# Allegro board F103_LIQUID_V10A.brd
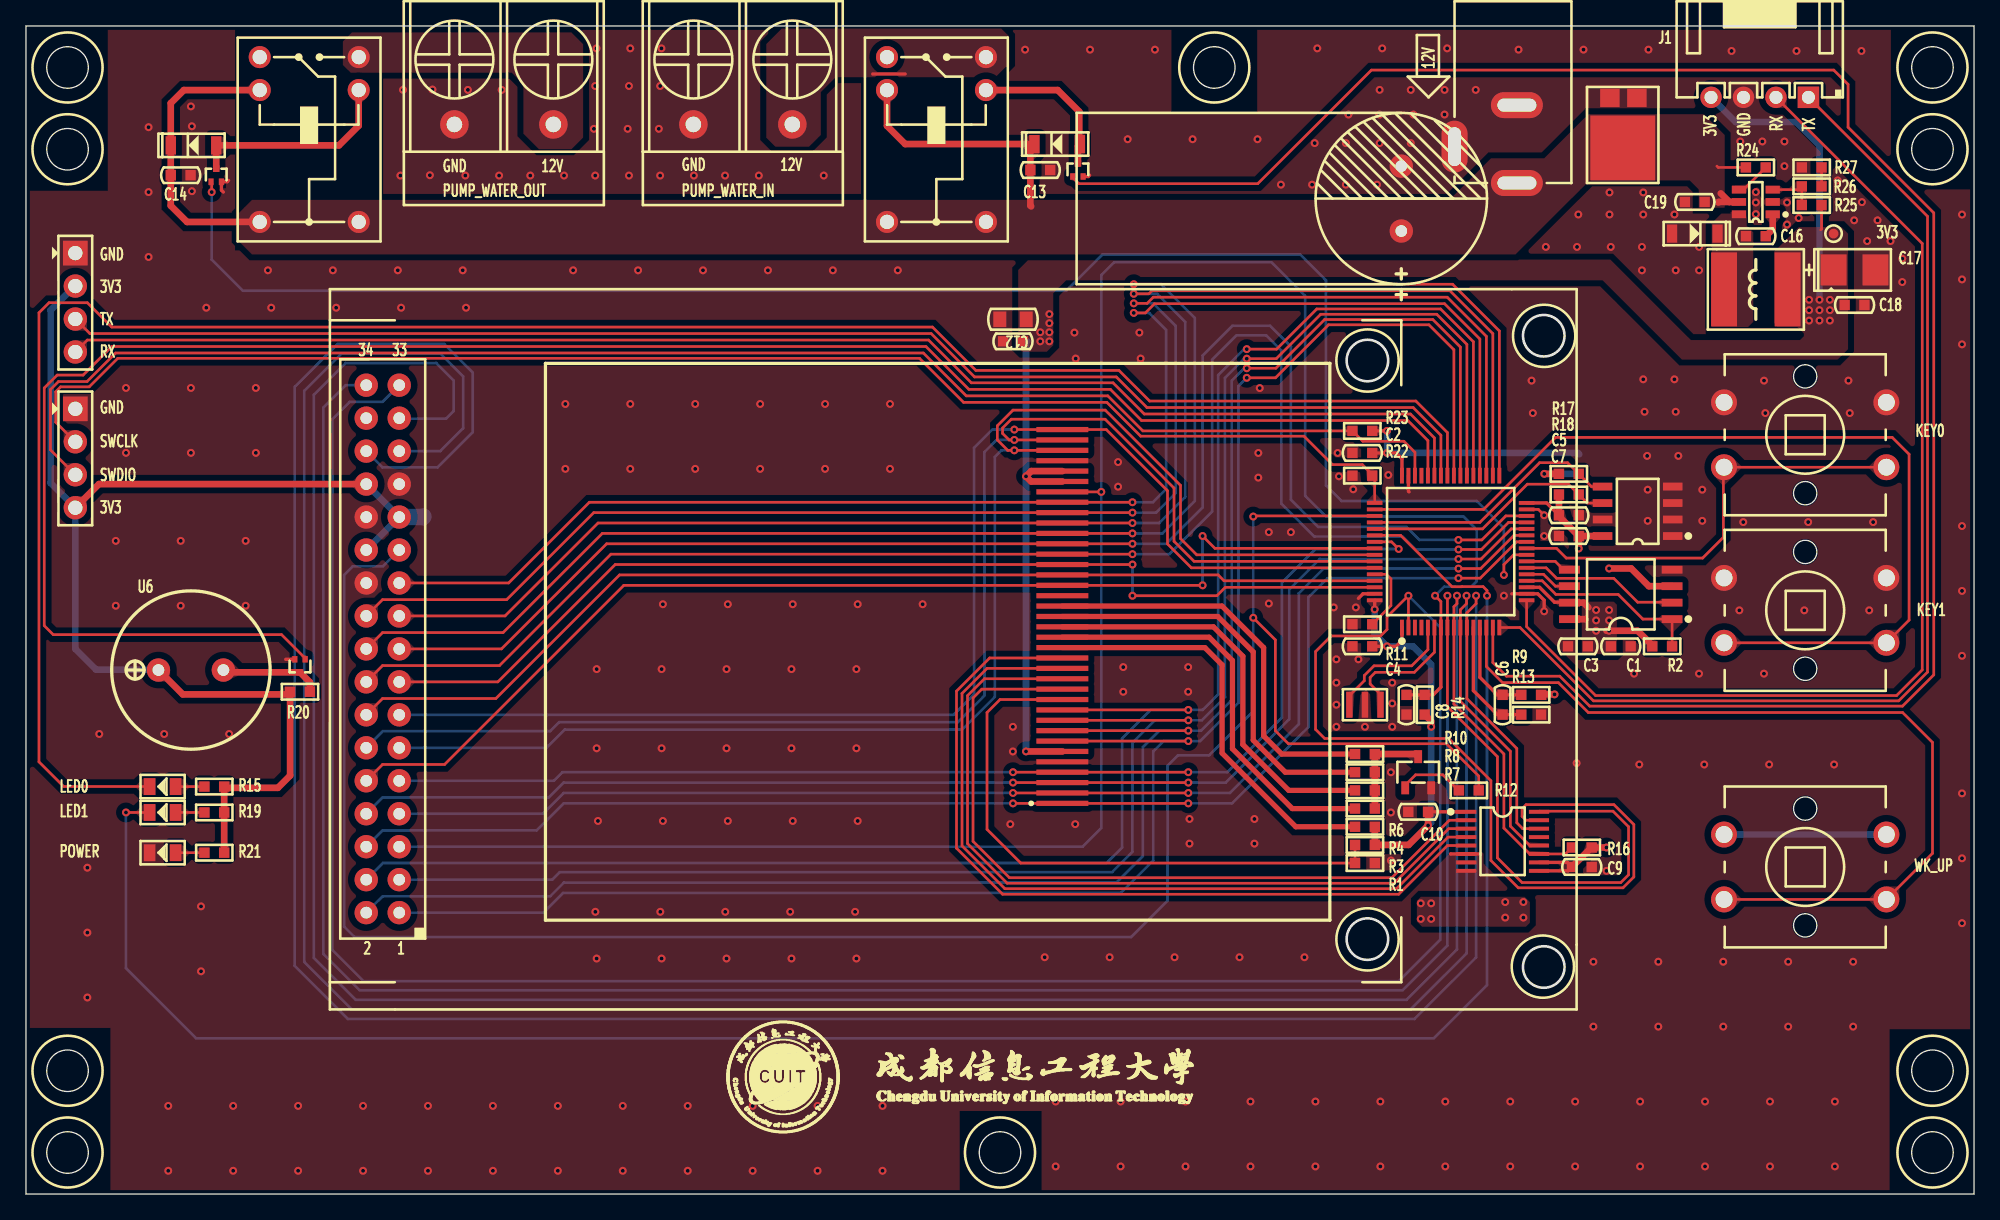
[diagram p0: board, top side]
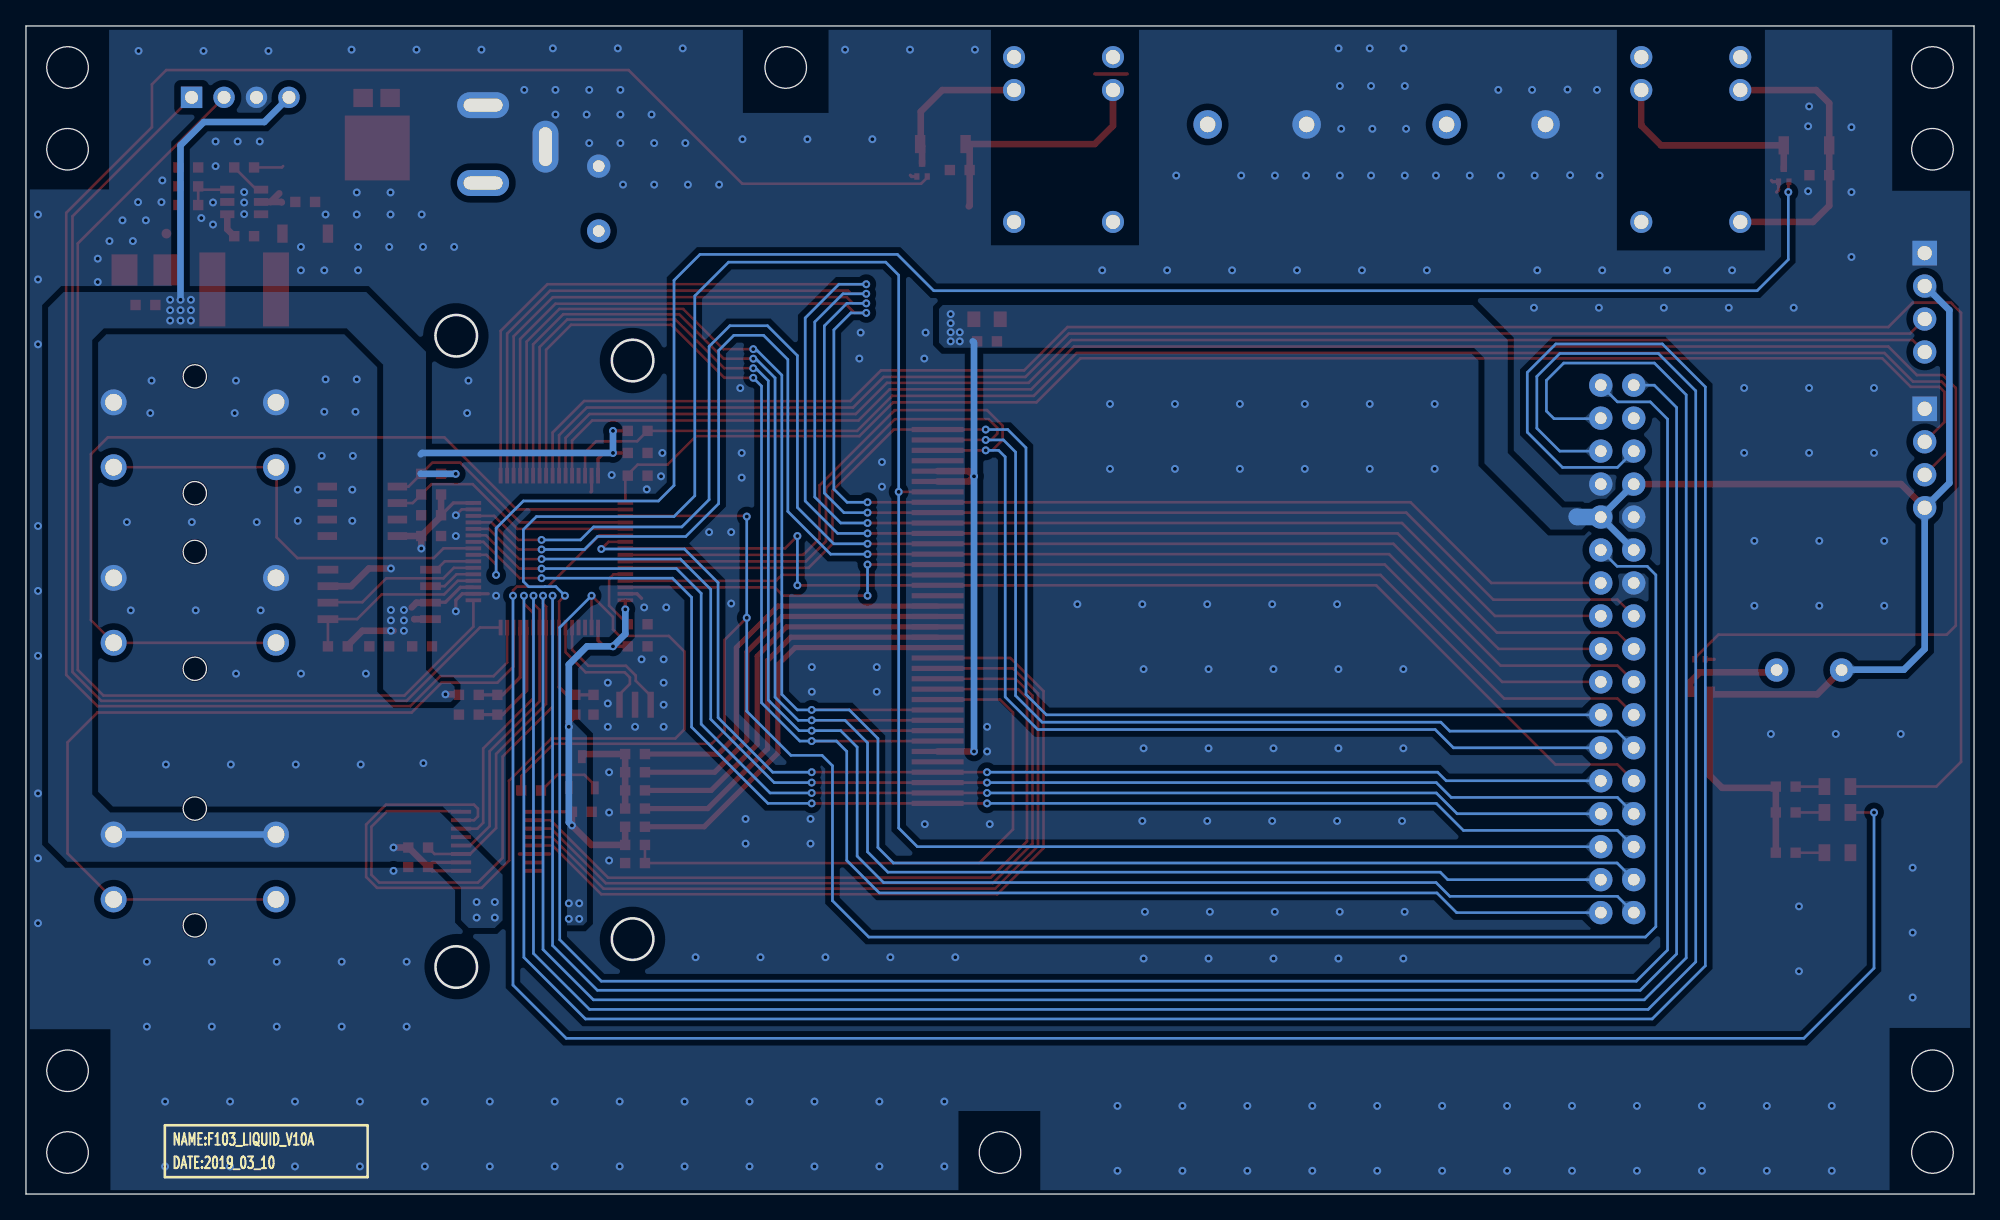
[diagram p1: board, bottom side, seen from below]

Outline 150 x 90 mm; copper layers: TOP, BOTTOM. Coordinates in mm from the lower left corner of the outline.
Outline path: circle c3.2,86.8 r1.6 ; circle c3.2,80.5 r1.6 ; circle c3.2,9.5 r1.6 ; circle c3.2,3.2 r1.6 ; circle c75,3.2 r1.6 ; circle c91.5,86.8 r1.6 ; circle c146.8,86.8 r1.6 ; circle c146.8,80.5 r1.6 ; circle c146.8,9.5 r1.6 ; circle c146.8,3.2 r1.6 ; 0,90 0,0 150,0 150,90 0,90

## Design rules (mm)
constraint set DEFAULT: min track width 0.203, pair gap 0.203

## Placement (name value [footprint] x y rotation side)
C1  0.1uF_50V  [C0603]  122.8 42.2 0 top
C2  0.1uF_50V  [C0603]  102.9 57.1 0 top
C3  0.1uF_50V  [C0603]  119.5 42.2 0 top
C4  0.1uF_50V  [C0603]  102.9 42.2 0 top
C5  0.1uF_50V  [C0603]  118.8 52.3 180 top
C6  0.1uF_50V  [C0603]  113.7 37.7 90 top
C7  0.1uF_50V  [C0603]  118.8 50.7 0 top
C8  0.1uF_50V  [C0603]  106.3 37.7 270 top
C9  0.1uF_50V  [C0603]  119.8 25.2 180 top
C10  0.1uF_50V  [C0603]  107.2 29.45 180 top
C11  10uF_25V  [C0805]  76 67.4 180 top
C12  0.1uF_50V  [C0603]  76 65.7 180 top
C13  0.1uF_50V  [C0603]  78.1 78.9 0 top
C14  0.1uF_50V  [C0603]  11.91 78.5 0 top
C15  1000uF_50V  [CAP-5R0-13X27]  105.9 76.7 90 top
C16  10nF_50V  [C0603]  133.2 73.8 180 top
C17  47uF_10V  [C3528B]  140.8 71.2 180 top
C18  0.1uF_25V  [C0603]  140.8 68.5 0 top
C19  0.1uF_25V  [C0603]  128.5 76.44 180 top
D1  LED_GREEN  [LED0805]  10.52 31.39 180 top
D2  LED_GREEN  [LED0805]  10.52 29.4 180 top
D3  LED_GREEN  [LED0805]  10.52 26.3 180 top
D4  1N4148W-TP  [SOD123]  79.4 80.9 0 top
D5  1N4148W-TP  [SOD123]  12.9 80.8 0 top
D6  V10P10  [TO-227A]  123 80.6 180 top
D7  LMBR130FT1G  [SOD123]  128.5 74 180 top
DC1  -  [DC005]  114.8 83.9 270 top
J1  -  [XHB-4AW]  133.5 84.5 180 top
J2  TFTLCD  [TFTLCD_3R5]  26.2 62.32 0 top
J3  -  [HEADER4X1-2R54-M]  3.8 60.5 270 top
J4  -  [HEADER4X1-2R54-M]  3.8 72.5 270 top
J5  -  [KF7R62-2P]  55.2 82.41 0 top
J6  -  [KF7R62-2P]  36.8 82.41 0 top
K1  HFD41/12VDC-HS5  [HFD41]  66.3 74.9 90 top
K2  HFD41/12VDC-HS5  [HFD41]  18 74.9 90 top
L1  SLF6028T-4R7M1R6-PF  [L6028]  133.2 69.7 0 top
NOREF  -  []  0 0 90 top
NOREF#2  -  []  0 0 90 top
NOREF#3  -  []  0 0 90 top
NOREF#4  -  []  0 0 0 top
NOREF#5  -  []  0 0 0 top
NOREF#6  -  []  0 0 0 top
NOREF#7  -  []  0 0 90 top
NOREF#8  -  []  -0.21 0 0 top
NOREF#9  -  []  0 0 0 top
NOREF#10  -  []  0 0 0 top
NOREF#11  -  []  0 0 90 top
Q1  S8050  [SOT23-3]  107.2 32.5 0 top
Q2  DTC043ZMT2L  [SOT723]  21.1 40.7 180 top
Q3  DTC043ZMT2L  [SOT723]  81 78.9 0 top
Q4  DTC043ZMT2L  [SOT723]  14.65 78.5 0 top
R1  0R/NI  [R0603]  103.1 25.5 0 top
R2  10K  [R0603]  125.99 42.2 0 top
R3  0R/NI  [R0603]  103.1 26.9 0 top
R4  0R  [R0603]  103.1 28.3 0 top
R6  10R  [R0603]  103.1 29.7 0 top
R7  10R  [R0603]  103.1 31.1 0 top
R8  10R  [R0603]  103.1 32.5 0 top
R9  0R  [R0603]  115.9 38.46 0 top
R10  10R  [R0603]  103.1 33.9 0 top
R11  10K  [R0603]  102.9 43.9 180 top
R12  1K  [R0603]  111.1 31.1 180 top
R13  0R  [R0603]  115.9 36.94 0 top
R14  10K  [R0603]  107.7 37.7 90 top
R15  4.7K  [R0603]  14.5 31.39 180 top
R16  100K  [R0603]  119.8 26.7 180 top
R17  4.7K  [R0603]  118.8 55.49 180 top
R18  4.7K  [R0603]  118.8 53.9 180 top
R19  4.7K  [R0603]  14.5 29.4 180 top
R20  1K  [R0603]  21.1 38.7 0 top
R21  4.7K  [R0603]  14.5 26.3 180 top
R22  4.7K  [R0603]  102.9 55.35 0 top
R23  4.7K  [R0603]  102.9 58.8 180 top
R24  100K  [R0603]  133.2 79.1 0 top
R25  49.9K  [R0603]  137.5 76.2 180 top
R26  6.2K  [R0603]  137.5 77.64 0 top
R27  10K  [R0603]  137.5 79.1 180 top
SW1  KEY  [SW-B3F4055]  137 25.2 0 top
SW2  KEY  [SW-B3F4055]  137 58.5 0 top
SW3  KEY  [SW-B3F4055]  137 44.97 0 top
TP1  TestPoint  [TP-0R75]  139.19 74 0 top
U1  STM32F103RCT6  [LQFP64-10X10X0R5]  109.7 49.5 0 top
U2  W25Q64JVSSIQ  [SOIC8_208]  122.8 46.2 90 top
U3  -  [TFT-2R4]  79.8 30.1 90 top
U4  AT24C512C-SSHM-T  [SOIC8]  124.1 52.6 90 top
U5  XPT2046  [TSSOP16]  113.7 27.18 270 top
U6  -  [PS1240P02BT]  12.7 40.37 0 top
U7  MP2359DJ-LF-Z  [SOT23-6]  133.2 76.44 90 top
X1  CSTCE8M00G15C99-R0  [X-3P-3R2X1R3-SMD]  103.1 37.7 0 top

## Library data of the parts
C1-C6 C16 = CAP NP_2
C7 = CAP NP_3
C8-C10 C12-C14 C18 C19 = CAP NP
C11 = C_Generic
C15 = CAPT_100UF_3528_6r3V_10%_LXXXX
C17 = TMP_154254
D1-D3 = LED_4
D4 D5 = DIODE13_7
D6 = DIODE13_6
D7 = DIODE13_0
DC1 = DC005
J1 J3 J4 = CONN RCPT 4
J2 = CONN RCPT 17x2_1
J5 J6 = HDR_1
K1 K2 = HF32FA-G/005-HSL1_0
L1 = INDUCTOR_0
Q1 = L14G1/TO_1
Q2-Q4 = DTC043ZMT2L
R1-R4 R6-R27 = R_Generic
SW1-SW3 = SWITCH-SPST-4P
TP1 = TestPoint_0
U1 = STM32F103RxT6
U2 = W25Qxx
U3 = TFT-2R4
U4 = AT24C512
U5 = XPT2046
U6 = PS1240P02BT
U7 = MP2359DJ-LF-Z
X1 = XTAL_5032_0

## Footprints (pads in the part's own frame, mm; a bottom-side part is the same pattern mirrored in y, then rotated)
C0603
  rect 0.8x0.8 smd: 1(-0.762,0) 2(0.762,0)
C0805
  rect 1x1.2 smd: 1(-1.016,0) 2(1.016,0)
C3528B
  rect 2x2.4 smd: 1(1.615,0) 2(-1.614,0)
CAP-5R0-13X27
  round 1.8 hole 0.9: 1(-2.5,0) 2(2.5,0)
DC005
  oval 2x4 hole 1x3: 1(6,0) 2(0,0)
  oval 4x2 hole 3x1: 3(3.2,-4.8)
HEADER4X1-2R54-M
  rect 1.9x1.9 hole 1.1: 1(0,0)
  round 1.8 hole 1.1: 2(2.54,0) 3(5.08,0) 4(7.62,0)
HFD41
  round 1.7 hole 1.1: 1(0,-7.62) 2(10.16,-7.62) 3(12.7,-7.62) 4(12.7,0) 5(10.16,0) 6(0,0)
KF7R62-2P
  round 2.2 hole 1.2: 1(-3.81,0) 2(3.81,0)
L6028
  rect 2x5.7 smd: 1(-2.45,0) 2(2.45,0)
LED0805
  rect 0.9x1.3 smd: 1(-1,0) 2(1,0)
LQFP64-10X10X0R5
  rect 0.3x1.2 smd: 1(-3.75,-5.85) 2(-3.25,-5.85) 3(-2.75,-5.85) 4(-2.25,-5.85) 5(-1.75,-5.85) 6(-1.25,-5.85) 7(-0.75,-5.85) 8(-0.25,-5.85) 9(0.25,-5.85) 10(0.75,-5.85) 11(1.25,-5.85) 12(1.75,-5.85) 13(2.25,-5.85) 14(2.75,-5.85) 15(3.25,-5.85) 16(3.75,-5.85) 33(3.75,5.85) 34(3.25,5.85) 35(2.75,5.85) 36(2.25,5.85) 37(1.75,5.85) 38(1.25,5.85) 39(0.75,5.85) 40(0.25,5.85) 41(-0.25,5.85) 42(-0.75,5.85) 43(-1.25,5.85) 44(-1.75,5.85) 45(-2.25,5.85) 46(-2.75,5.85) 47(-3.25,5.85) 48(-3.75,5.85)
  rect 1.2x0.3 smd: 17(5.85,-3.75) 18(5.85,-3.25) 19(5.85,-2.75) 20(5.85,-2.25) 21(5.85,-1.75) 22(5.85,-1.25) 23(5.85,-0.75) 24(5.85,-0.25) 25(5.85,0.25) 26(5.85,0.75) 27(5.85,1.25) 28(5.85,1.75) 29(5.85,2.25) 30(5.85,2.75) 31(5.85,3.25) 32(5.85,3.75) 49(-5.85,3.75) 50(-5.85,3.25) 51(-5.85,2.75) 52(-5.85,2.25) 53(-5.85,1.75) 54(-5.85,1.25) 55(-5.85,0.75) 56(-5.85,0.25) 57(-5.85,-0.25) 58(-5.85,-0.75) 59(-5.85,-1.25) 60(-5.85,-1.75) 61(-5.85,-2.25) 62(-5.85,-2.75) 63(-5.85,-3.25) 64(-5.85,-3.75)
PS1240P02BT
  round 1.8 hole 0.9: 1(-2.5,0) 2(2.5,0)
R0603
  rect 0.8x0.8 smd: 1(-0.762,0) 2(0.762,0)
SOD123
  rect 0.8x1.4 smd: 1(1.75,0) 2(-1.75,0)
SOIC8
  rect 0.6x1.5 smd: 1(-1.9,-2.7) 2(-0.63,-2.7) 3(0.64,-2.7) 4(1.91,-2.7) 5(1.91,2.7) 6(0.64,2.7) 7(-0.63,2.7) 8(-1.9,2.7)
SOIC8_208
  rect 0.6x1.6 smd: 1(-1.905,-3.95) 2(-0.635,-3.95) 3(0.635,-3.95) 4(1.905,-3.95) 5(1.905,3.95) 6(0.635,3.95) 7(-0.635,3.95) 8(-1.905,3.95)
SOT23-3
  rect 0.6x1 smd: 1(-1,-1.2) 2(1,-1.2) 3(0,1.2)
SOT23-6
  rect 0.6x1.1 smd: 1(-0.95,-1.3) 2(0,-1.3) 3(0.95,-1.3) 4(0.95,1.3) 5(0,1.3) 6(-0.95,1.3)
SOT723
  rect 0.4x0.5 smd: 1(-0.4,-0.5) 2(0.4,-0.5)
  rect 0.5x0.5 smd: 3(0,0.5)
SW-B3F4055
  round 2 hole 1.3: 1(-6.25,2.5) 2(6.25,2.5) 3(-6.25,-2.5) 4(6.25,-2.5)
TFT-2R4
  rect 0.4x4 smd: 1(0,0) 2(0.8,0) 3(1.6,0) 4(2.4,0) 5(3.2,0) 6(4,0) 7(4.8,0) 8(5.6,0) 9(6.4,0) 10(7.2,0) 11(8,0) 12(8.8,0) 13(9.6,0) 14(10.4,0) 15(11.2,0) 16(12,0) 17(12.8,0) 18(13.6,0) 19(14.4,0) 20(15.2,0) 21(16,0) 22(16.8,0) 23(17.6,0) 24(18.4,0) 25(19.2,0) 26(20,0) 27(20.8,0) 28(21.6,0) 29(22.4,0) 30(23.2,0) 31(24,0) 32(24.8,0) 33(25.6,0) 34(26.4,0) 35(27.2,0) 36(28,0) 37(28.8,0)
TFTLCD_3R5
  round 1.8 hole 0.9: 1(2.54,-40.64) 2(0,-40.64) 3(2.54,-38.1) 4(0,-38.1) 5(2.54,-35.56) 6(0,-35.56) 7(2.54,-33.02) 8(0,-33.02) 9(2.54,-30.48) 10(0,-30.48) 11(2.54,-27.94) 12(0,-27.94) 13(2.54,-25.4) 14(0,-25.4) 15(2.54,-22.86) 16(0,-22.86) 17(2.54,-20.32) 18(0,-20.32) 19(2.54,-17.78) 20(0,-17.78) 21(2.54,-15.24) 22(0,-15.24) 23(2.54,-12.7) 24(0,-12.7) 25(2.54,-10.16) 26(0,-10.16) 27(2.54,-7.62) 28(0,-7.62) 29(2.54,-5.08) 30(0,-5.08) 31(2.54,-2.54) 32(0,-2.54) 33(2.54,0) 34(0,0)
TO-227A
  rect 1.5x1.4 smd: 1(1.04,-3.85) 2(-1.04,-3.85)
  rect 5x5 smd: 3(0.05,0)
TP-0R75
  round 0.75 smd: 1(0,0)
TSSOP16
  rect 0.3x1.55 smd: 1(-2.275,-2.8) 2(-1.625,-2.8) 3(-0.975,-2.8) 4(-0.325,-2.8) 5(0.325,-2.8) 6(0.975,-2.8) 7(1.625,-2.8) 8(2.275,-2.8) 9(2.275,2.8) 10(1.625,2.8) 11(0.975,2.8) 12(0.325,2.8) 13(-0.325,2.8) 14(-0.975,2.8) 15(-1.625,2.8) 16(-2.275,2.8)
X-3P-3R2X1R3-SMD
  rect 0.5x2 smd: 1(-1.2,0) 2(0,0) 3(1.2,0)
XHB-4AW
  rect 1.65x1.65 hole 1: 1(-3.75,0)
  round 1.65 hole 1: 2(-1.25,0) 3(1.25,0) 4(3.75,0)

## Nets
GND: C1.2 C2.1 C3.1 C4.1 C5.1 C7.1 C8.2 C9.1 C10.2 C11.2 C12.2 C13.2 C14.2 C15.2 C17.2 C18.2 C19.2 D3.2(CATHODE) D6.1 D6.2 D7.1 DC1.2 DC1.3 J1.3 J2.22 J2.26 J2.27 J3.1 J4.1 J5.1 J6.1 Q1.2(E) Q2.2 Q3.2 Q4.2 R1.2 R11.2 R13.2 R22.1 R27.2 SW2.1 SW2.2 SW3.1 SW3.2 U1.18 U1.31 U1.47 U1.63(VSS_4) U2.4 U3.5 U3.34 U4.1 U4.2 U4.3 U4.4 U4.7(WP) U5.6 U5.7 U5.8 U7.2 X1.2
VCC_3.3V: C1.1 C2.2 C3.2 C4.2 C5.2 C7.2 C9.2 C10.1 C11.1 C12.1 C17.1 C18.1 J1.4 J2.24 J2.25 J2.28 J3.4 J4.2 L1.2 R2.1 R3.2 R4.2 R9.2 R14.1 R15.1 R16.1 R17.2 R18.2 R19.1 R20.1 R21.1 R23.1 R25.1 SW1.1 SW1.2 TP1.1 U1.1 U1.19 U1.32 U1.48 U1.64 U2.3(W\P\) U2.7 U2.8 U3.6 U3.32 U3.33 U4.8 U5.1 U5.9 U5.10 U6.1
VCC_12V: C13.1 C14.1 C15.1 C19.1 D4.2(CATHODE) D5.2(CATHODE) D6.3(CATHODE) DC1.1 K1.1 K1.5 K1.6 K2.1 K2.5 K2.6 R24.1 U7.5
VCC_12V_PUMP1: J5.2 K1.3
VCC_12V_PUMP2: J6.2 K2.3
VDDA: C6.2 R9.1 U1.13
VSSA: C6.1 R13.1 U1.12
BOOT0: R11.1 U1.60
CTL_BEEP: Q2.1 U1.44
CTL_RELAY1: Q3.1 U1.15
CTL_RELAY2: Q4.1 U1.24
F_CS: R2.2 U1.20 U2.1
IIC_SCL: R18.1 U1.53 U4.6
IIC_SDA: R17.1 U1.52 U4.5
IM0: R1.1 R3.1 U3.11
KEY0: SW2.3 SW2.4 U1.25
KEY1: SW3.3 SW3.4 U1.50
LCD_BL: J2.23 R12.1 U1.51
LCD_CS: J2.1 U1.40 U3.7
LCD_D0: J2.6 U1.26 U3.1
LCD_D1: J2.7 U1.27 U3.2
LCD_D2: J2.8 U1.28 U3.3
LCD_D3: J2.9 U1.55 U3.4
LCD_D4: J2.10 U1.56 U3.22
LCD_D5: J2.11 U1.57 U3.35
LCD_D6: J2.12 U1.58 U3.36
LCD_D7: J2.13 U1.59 U3.37
LCD_D8: J2.14 U1.61 U3.23
LCD_D9: J2.15 U1.62 U3.24
LCD_D10: J2.16 U1.29 U3.25
LCD_D11: J2.17 U1.30 U3.26
LCD_D12: J2.18 U1.33 U3.27
LCD_D13: J2.19 U1.34 U3.28
LCD_D14: J2.20 U1.35 U3.29
LCD_D15: J2.21 U1.36 U3.30
LCD_LEDA: R4.1 U3.16
LCD_LEDK1: R6.1 U3.17
LCD_LEDK2: R7.1 U3.18
LCD_LEDK3: R8.1 U3.19
LCD_LEDK4: R10.1 U3.20
LCD_RD: J2.4 U1.37 U3.10
LCD_RS: J2.2 U1.39 U3.8
LCD_WR: J2.3(WR/CLK) U1.38 U3.9
LED0: D1.2(CATHODE) U1.41
LED1: D2.2(CATHODE) U1.54
NRST: C8.1 J2.5 R14.2 U1.7 U3.31
OSC_IN: U1.5 X1.1
OSC_OUT: U1.6 X1.3
SPI1_MISO: U1.22 U2.2
SPI1_MOSI: U1.23 U2.5
SPI1_SCK: U1.21 U2.6
SWCLK: J3.2 R22.2 U1.49
SWDIO: J3.3 R23.2 U1.46
T_CS: J2.33 U1.2 U5.15
T_MISO: J2.29 U1.10 U5.12
T_MOSI: J2.30 U1.11 U5.14
T_PEN: J2.31 R16.2 U1.9 U5.11
T_SCK: J2.34 U1.8 U5.16
USART1_RX: J4.4 U1.43
USART1_TX: J4.3 U1.42
USART2_RX: J1.2 U1.17
USART2_TX: J1.1 U1.16
WK_UP: SW1.3 SW1.4 U1.14
X+: U3.12 U5.2
X-: U3.14 U5.4
Y+: U3.13 U5.3(YP)
Y-: U3.15(Y-) U5.5
N17026623: D1.1 R15.2
N17026648: D2.1 R19.2
N17026724: D3.1 R21.2
N17064279: Q2.3 R20.2 U6.2
N17081273: D4.1 K1.2 Q3.3
N17083179: D5.1 K2.2 Q4.3
N17083774: C16.2 D7.2 L1.1 U7.6(SW)
N17083776: C16.1 U7.1
N17083890: R25.2 R26.1 U7.3
N17083894: R24.2 U7.4
N17083932: R26.2 R27.1
N17085874: Q1.3 R6.2 R7.2 R8.2 R10.2
N170859511: Q1.1 R12.2

Pads without a net: J2 32; K1 4; K2 4; U1 3 4 45; U3 21; U5 13

## Via types
v1: diameter 0.61, hole 0.305, TOP to BOTTOM, 418 vias

## Routing (per net, layer and track width the routed paths; a pad name or vN(x,y) marks a point on that pad's centre or on a via; arc(x,y) is an arc through that point)
GND: length 12.7
  TOP w0.203: U1.31 116.45,52.75 v1(116.9,52.3)
  TOP w0.254: 15.2,77.2 15.05,77.35 Q4.2 15.5,78 15.6,78.1 ; Q3.2 81.8,78.4 81.9,78.5 ; 112,26.2 112,26.2 U5.6 109.7,26.2 109.7,26.2 ; 106.5,54.1 106.45,54.15 U1.47 ; 102.6,45.9 102.95,46.25 U1.63 ; 114.41,46.25 U1.18 116.4,46.25 116.9,45.75 v1(116.9,44.9) ; Q2.2 20,41.2
  vias: v1(4.73,25.14) v1(4.73,20.14) v1(4.73,15.14) v1(5.64,35.45) v1(6.92,50.33) v1(6.92,45.33) v1(7.7,62.11) v1(7.7,57.11) v1(9.44,82.2) v1(9.44,77.2) v1(9.44,72.2) v1(10.64,35.45) v1(10.95,6.79) v1(10.95,1.79) v1(11.92,50.33) v1(11.92,45.33) v1(12.7,83.8) v1(12.7,62.11) v1(12.7,57.11) v1(12.77,82.27) v1(12.77,77.27) v1(13.48,22.16) v1(13.48,17.16) v1(13.88,68.29) v1(15.64,35.45) v1(15.95,6.79) v1(15.95,1.79) v1(16.92,50.33) v1(16.92,45.33) v1(17.7,62.11) v1(17.7,57.11) v1(18.63,71.17) v1(18.88,68.29) v1(20.95,6.79) v1(20.95,1.79) v1(23.63,71.17) v1(23.88,68.29) v1(25.95,6.79) v1(25.95,1.79) v1(28.63,71.17) v1(28.83,78.47) v1(28.88,68.29) v1(29.03,85.07) v1(30.95,6.79) v1(30.95,1.79) v1(31.1,78.5) v1(31.3,85.1) v1(33.63,71.17) v1(33.83,78.47) v1(33.88,68.29) v1(34.03,85.07) v1(35.95,6.79) v1(35.95,1.79) v1(36.43,78.47) v1(36.63,85.07) v1(38.83,78.47) v1(40.95,6.79) v1(40.95,1.79) v1(41.43,78.47) v1(41.53,60.87) v1(41.53,55.87) v1(42.13,71.17) v1(43.73,82.07) v1(43.83,85.37) v1(43.83,78.47) v1(43.84,21.75) v1(43.93,88.27) v1(43.94,40.45) v1(43.94,34.35) v1(43.94,18.15) v1(44.04,28.75) v1(45.95,6.79) v1(45.95,1.79) v1(46.33,82.07) v1(46.43,85.37) v1(46.43,78.47) v1(46.53,88.27) v1(46.53,60.87) v1(46.53,55.87) v1(47.13,71.17) v1(48.73,82.07) v1(48.83,85.37) v1(48.83,78.47) v1(48.84,21.75) v1(48.93,88.27) v1(48.94,40.45) v1(48.94,34.35) v1(48.94,18.15) v1(49.04,45.45) v1(49.04,28.75) v1(50.95,6.79) v1(50.95,1.79) v1(51.43,78.47) v1(51.53,60.87) v1(51.53,55.87) v1(52.13,71.17) v1(53.83,78.47) v1(53.84,21.75) v1(53.94,40.45) v1(53.94,34.35) v1(53.94,18.15) v1(54.04,45.45) v1(54.04,28.75) v1(55.95,6.79) v1(55.95,1.79) v1(56.43,78.47) v1(56.53,60.87) v1(56.53,55.87) v1(57.13,71.17) v1(58.84,21.75) v1(58.94,40.45) v1(58.94,34.35) v1(58.94,18.15) v1(59.04,45.45) v1(59.04,28.75) v1(60.95,6.79) v1(60.95,1.79) v1(61.43,78.47) v1(61.53,60.87) v1(61.53,55.87) v1(62.13,71.17) v1(63.84,21.75) v1(63.94,40.45) v1(63.94,34.35) v1(63.94,18.15) v1(64.04,45.45) v1(64.04,28.75) v1(65.95,6.79) v1(65.95,1.79) v1(66.53,60.87) v1(66.53,55.87) v1(67.13,71.17) v1(69.04,45.45) v1(75.79,28.5) v1(75.99,36) v1(75.99,34.1) v1(76.93,88.17) v1(78.44,18.25) v1(79.29,7.13) v1(79.29,2.13) v1(80.73,66.37) v1(80.83,64.37) v1(80.79,28.5) v1(81.93,88.17) v1(83.44,18.25) v1(84.09,56.4) v1(84.09,54.5) v1(84.29,7.13) v1(84.29,2.13) v1(84.49,40.6) v1(84.49,38.7) v1(84.83,81.27) v1(85.73,66.37) v1(85.83,64.37) v1(86.93,88.17) v1(88.44,18.25) v1(89.29,7.13) v1(89.29,2.13) v1(89.49,40.6) v1(89.49,38.7) v1(89.59,28.9) v1(89.59,27) v1(89.83,81.27) v1(93.44,18.25) v1(94.29,7.13) v1(94.29,2.13) v1(94.59,28.9) v1(94.59,27) v1(94.83,81.27) v1(94.89,57.1) v1(94.89,55.2) v1(95,62.1) v1(95.7,51) v1(95.7,45.5) v1(96.63,77.77) v1(97.4,51) v1(98.44,18.25) v1(99.03,77.77) v1(99.23,80.97) v1(99.29,7.13) v1(99.29,2.13) v1(99.43,88.27) v1(100.7,45.2) v1(100.9,41.2) v1(100.9,39.4) v1(100.9,37.7) v1(100.9,36) v1(101,57.1) v1(101.1,55.3) v1(101.63,80.97) v1(101.63,77.77) v1(101.83,83.17) v1(102.2,54.3) v1(102.4,45.2) v1(102.6,41.2) v1(103.1,36) v1(104.03,77.77) v1(104.23,85.07) v1(104.23,83.17) v1(104.23,80.97) v1(104.29,7.13) v1(104.29,2.13) v1(104.43,88.27) v1(104.9,55.4) v1(105.1,32.5) v1(105.1,29.4) v1(105.1,25.7) v1(105.2,39.4) v1(105.2,37.8) v1(105.2,36) v1(106.63,85.07) v1(106.63,80.97) v1(106.83,83.17) v1(109.23,85.07) v1(109.23,83.17) v1(109.29,7.13) v1(109.29,2.13) v1(109.43,88.27) v1(111.63,85.07) v1(113.8,46.1) v1(114.29,7.13) v1(114.29,2.13) v1(114.93,88.17) v1(115.93,62.67) v1(116.03,60.17) v1(116.9,50.7) v1(117.03,72.97) v1(119.29,7.13) v1(119.29,2.13) v1(119.43,72.97) v1(119.4,33.2) v1(119.53,75.47) v1(119.93,88.17) v1(120.69,17.9) v1(120.69,12.9) v1(121.7,24.9) v1(121.93,77.17) v1(121.93,75.47) v1(122.03,72.97) v1(123.82,40.1) v1(124.22,33.1) v1(124.29,7.13) v1(124.29,2.13) v1(124.43,72.97) v1(124.43,71.17) v1(124.53,77.17) v1(124.53,75.47) v1(124.53,62.77) v1(124.63,60.27) v1(124.83,56.87) v1(124.93,88.17) v1(124.87,54.27) v1(124.87,51.87) v1(125.69,17.9) v1(125.69,12.9) v1(126.93,75.47) v1(126.93,62.77) v1(127.03,71.17) v1(127.03,60.27) v1(127.23,56.87) v1(128.83,72.97) v1(128.83,71.17) v1(128.82,40.1) v1(129.07,54.27) v1(129.07,51.87) v1(129.22,33.1) v1(129.29,7.13) v1(129.29,2.13) v1(130.69,17.9) v1(130.69,12.9) v1(131.33,88.07) v1(131.93,44.97) v1(132,81.1) v1(132.23,51.77) v1(133.2,77.2) v1(133.2,76.4) v1(133.2,75.5) v1(133.7,81.1) v1(133.83,62.67) v1(133.82,40.1) v1(133.93,60.17) v1(134.22,33.1) v1(134.29,7.13) v1(134.29,2.13) v1(135.4,81.1) v1(135.4,79.2) v1(135.6,76.4) v1(135.6,74.7) v1(135.69,17.9) v1(135.69,12.9) v1(136.33,88.07) v1(136.5,75.2) v1(136.93,44.97) v1(137.23,51.77) v1(139.22,33.1) v1(139.29,7.13) v1(139.29,2.13) v1(139.5,78.1) v1(139.57,76.43) v1(140.33,62.67) v1(140.43,60.17) v1(140.69,17.9) v1(140.69,12.9) v1(140.77,75.03) v1(141.33,88.07) v1(141.37,76.43) v1(141.77,73.43) v1(141.93,44.97) v1(142.23,51.77) v1(142.57,75.03) v1(143.57,73.43) v1(144.47,72.07) v1(144.47,70.27) v1(149.07,75.47) v1(149.07,70.47) v1(149.07,65.47) v1(149.07,51.47) v1(149.07,46.47) v1(149.07,41.47) v1(149.07,30.87) v1(149.07,25.87) v1(149.07,20.87)